# Allegro board hash851-X26_V1_0_180425.brd (continued)
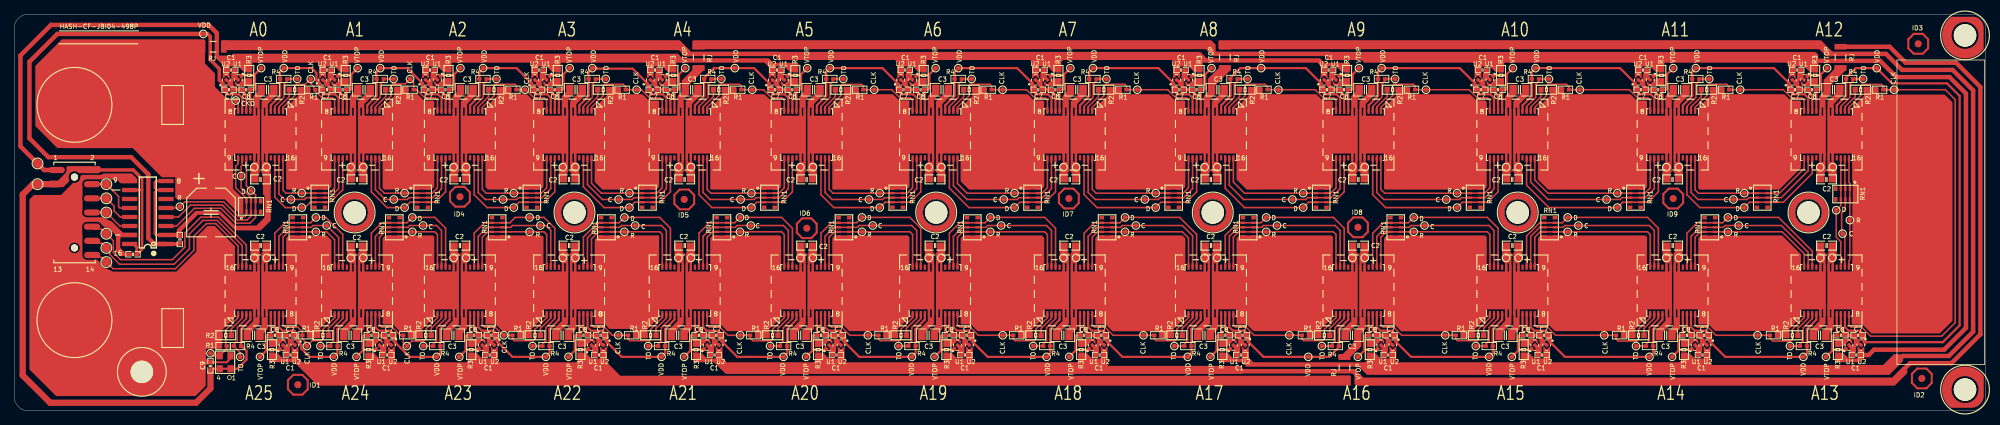
[diagram p0: board, top side]
## Routing (per net, layer and track width the routed paths; a pad name or vN(x,y) marks a point on that pad's centre or on a via; arc(x,y) is an arc through that point) (continued)
NETA8_A19_3: length 6.7
  TOP w0.229: TO_A19.1 R4_A19.2 126.08,9.4 126.56,9.88 126.56,11.75 127.83,13.02 127.83,13.16
  TOP w0.325: 127.83,13.16 A8_A19.3
NETA8_A19_5: length 8.6
  TOP w0.325: A8_A19.5 131.28,10.75 C8_A19.2 130.8,10.67 130.64,10.51 130.64,8.77 130.78,8.64 ; VTOP_A19.1 130.78,8.64 ; 130.78,8.64 132.13,8.64
NETA8_A20_2: length 3.7
  TOP w0.229: R2_A20.1 107.7,11.64 109.15,13.09 109.15,13.24
  TOP w0.325: 109.15,13.24 A8_A20.2
NETA8_A20_3: length 6.7
  TOP w0.229: TO_A20.1 R4_A20.2 107.98,9.4 108.46,9.88 108.46,11.75 109.73,13.02 109.73,13.16
  TOP w0.325: 109.73,13.16 A8_A20.3
NETA8_A20_5: length 8.6
  TOP w0.325: VTOP_A20.1 112.68,8.64 ; 112.68,8.64 112.54,8.77 112.54,10.51 112.7,10.67 C8_A20.2 113.18,10.75 A8_A20.5 ; 112.68,8.64 114.03,8.64
NETA8_A21_2: length 3.7
  TOP w0.229: 91.95,13.24 91.95,13.09 90.5,11.64 R2_A21.1
  TOP w0.325: 91.95,13.24 A8_A21.2
NETA8_A21_3: length 6.7
  TOP w0.229: TO_A21.1 R4_A21.2 90.78,9.4 91.26,9.88 91.26,11.75 92.53,13.02 92.53,13.16
  TOP w0.325: A8_A21.3 92.53,13.16
NETA8_A21_5: length 8.6
  TOP w0.325: 95.48,8.64 96.83,8.64 ; 95.48,8.64 95.34,8.77 95.34,10.51 95.5,10.67 C8_A21.2 95.98,10.75 A8_A21.5 ; 95.48,8.64 VTOP_A21.1
NETA8_A22_2: length 3.7
  TOP w0.229: 75.65,13.24 75.65,13.09 74.2,11.64 R2_A22.1
  TOP w0.325: 75.65,13.24 A8_A22.2
NETA8_A22_3: length 6.7
  TOP w0.229: TO_A22.1 R4_A22.2 74.48,9.4 74.96,9.88 74.96,11.75 76.23,13.02 76.23,13.16
  TOP w0.325: 76.23,13.16 A8_A22.3
NETA8_A22_5: length 8.6
  TOP w0.325: 79.18,8.64 80.53,8.64 ; 79.18,8.64 VTOP_A22.1 ; 79.18,8.64 79.04,8.77 79.04,10.51 79.2,10.67 C8_A22.2 79.68,10.75 A8_A22.5
NETA8_A23_2: length 3.7
  TOP w0.229: 60.25,13.24 60.25,13.09 58.8,11.64 R2_A23.1
  TOP w0.325: 60.25,13.24 A8_A23.2
NETA8_A23_3: length 6.7
  TOP w0.229: TO_A23.1 R4_A23.2 59.08,9.4 59.56,9.88 59.56,11.75 60.83,13.02 60.83,13.16
  TOP w0.325: 60.83,13.16 A8_A23.3
NETA8_A23_5: length 8.6
  TOP w0.325: 63.78,8.64 65.13,8.64 ; 63.78,8.64 VTOP_A23.1 ; 63.78,8.64 63.64,8.77 63.64,10.51 63.8,10.67 C8_A23.2 64.28,10.75 A8_A23.5
NETA8_A24_2: length 3.7
  TOP w0.229: R2_A24.1 44.3,11.64 45.75,13.09 45.75,13.24
  TOP w0.325: 45.75,13.24 A8_A24.2
NETA8_A24_3: length 6.7
  TOP w0.229: TO_A24.1 R4_A24.2 44.58,9.4 45.06,9.88 45.06,11.75 46.33,13.02 46.33,13.16
  TOP w0.325: A8_A24.3 46.33,13.16
NETA8_A24_5: length 8.6
  TOP w0.325: A8_A24.5 49.78,10.75 C8_A24.2 49.3,10.67 49.14,10.51 49.14,8.77 49.28,8.64 ; 49.28,8.64 VTOP_A24.1 ; 49.28,8.64 50.63,8.64
NETA8_A25_2: length 3.7
  TOP w0.229: 32.15,13.24 32.15,13.09 30.61,11.54 R2_A25.1
  TOP w0.325: A8_A25.2 32.15,13.24
NETA8_A25_3: length 7.2
  TOP w0.229: 32.73,13.16 32.73,13.02 31.46,11.75 31.46,9.88 30.98,9.4 R4_A25.2 30.98,9.1 31.87,8.21 TO_A25.1
  TOP w0.325: 32.73,13.16 A8_A25.3
NETA8_A25_5: length 8.6
  TOP w0.325: VTOP_A25.1 35.68,8.64 ; 35.68,8.64 37.03,8.64 ; 35.68,8.64 35.54,8.77 35.54,10.51 35.7,10.67 C8_A25.2 36.18,10.75 A8_A25.5
RI: length 30.8
  TOP w0.229: J1.14 11.33,21.67 12.33,21.67 RI.1 ; RI.1 12.54,21.46 13,21.06 RI.1 ; RI.1 13.93,20.06 22.74,20.06 25.34,22.66 25.34,24.66 27.1,26.43 28.43,26.43 31.58,23.28 31.58,20.78
  TOP w0.325: A8_A25.16 31.58,20.78
RI_A0: length 16.6
  TOP w0.229: 45.18,35.22 45.18,31.49 44.42,30.73 RN1_A1.4 RN1_A1.7 41.17,30.73 41.16,30.73 R_A1.1 38.33,30.73 37.9,31.15 37.9,35.22
  TOP w0.325: 45.18,35.22 A8_A1.9 ; A8_A0.16 37.9,35.22
RI_A1: length 17.3
  TOP w0.229: 51.5,35.22 51.5,31.42 52.19,30.73 R_A2.1 55.99,30.73 56,30.73 RN1_A2.7 RN1_A2.4 58.92,30.73 59.68,31.49 59.68,35.22
  TOP w0.325: 59.68,35.22 A8_A2.9 ; A8_A1.16 51.5,35.22
RI_A2: length 18.3
  TOP w0.229: 75.08,35.22 75.08,31.49 74.32,30.73 RN1_A3.4 RN1_A3.7 71.07,30.73 71.06,30.73 R_A3.1 66.55,30.73 66,31.27 66,35.22
  TOP w0.325: 75.08,35.22 A8_A3.9 ; 66,35.22 A8_A2.16
RI_A3: length 18.7
  TOP w0.229: 81.4,35.22 81.4,32.12 82.8,30.73 R_A4.1 87.36,30.73 87.37,30.73 RN1_A4.7 RN1_A4.4 90.62,30.73 91.38,31.49 91.38,35.22
  TOP w0.325: A8_A3.16 81.4,35.22 ; 91.38,35.22 A8_A4.9
RI_A4: length 20.1
  TOP w0.229: 97.7,35.22 97.7,31.27 98.25,30.73 R_A5.1 104.56,30.73 104.57,30.73 RN1_A5.7 RN1_A5.4 107.82,30.73 108.58,31.49 108.58,35.22
  TOP w0.325: 108.58,35.22 A8_A5.9 ; A8_A4.16 97.7,35.22
RI_A5: length 21
  TOP w0.229: 114.9,35.22 114.9,31.27 115.45,30.73 R_A6.1 122.66,30.73 122.67,30.73 RN1_A6.7 RN1_A6.4 125.92,30.73 126.68,31.49 126.68,35.22
  TOP w0.325: 126.68,35.22 A8_A6.9 ; A8_A5.16 114.9,35.22
RI_A6: length 21.4
  TOP w0.229: 133,35.22 133,32.09 134.36,30.73 R_A7.1 141.66,30.73 141.67,30.73 RN1_A7.7 RN1_A7.4 144.92,30.73 145.68,31.49 145.68,35.22
  TOP w0.325: A8_A6.16 133,35.22 ; 145.68,35.22 A8_A7.9
RI_A7: length 22.8
  TOP w0.229: 152,35.22 152,31.27 152.55,30.73 R_A8.1 161.56,30.73 161.57,30.73 RN1_A8.7 RN1_A8.4 164.82,30.73 165.58,31.49 165.58,35.22
  TOP w0.325: A8_A7.16 152,35.22 ; 165.58,35.22 A8_A8.9
RI_A8: length 23.1
  TOP w0.229: 171.9,35.22 171.9,32.3 173.47,30.73 R_A9.1 182.36,30.73 182.37,30.73 RN1_A9.7 RN1_A9.4 185.62,30.73 186.38,31.49 186.38,35.22
  TOP w0.325: A8_A8.16 171.9,35.22 ; 186.38,35.22 A8_A9.9
RI_A9: length 24.6
  TOP w0.229: 208.08,35.22 208.08,31.49 207.32,30.73 RN1_A10.4 RN1_A10.7 204.07,30.73 204.06,30.73 R_A10.1 193.25,30.73 192.7,31.27 192.7,35.22
  TOP w0.325: 208.08,35.22 A8_A10.9 ; A8_A9.16 192.7,35.22
RI_A10: length 24.7
  TOP w0.229: 230.68,35.22 230.68,31.49 229.92,30.73 RN1_A11.4 RN1_A11.7 226.67,30.73 226.66,30.73 R_A11.1 216.27,30.73 214.4,32.59 214.4,35.22
  TOP w0.325: 230.68,35.22 A8_A11.9 ; 214.4,35.22 A8_A10.16
RI_A11: length 23.1
  TOP w0.229: 237,35.22 237,31.2 237.48,30.73 R_A12.1 244.55,30.73 244.56,30.73 RN1_A12.7 RN1_A12.4 248.91,30.73 252.38,34.2 252.38,35.22
  TOP w0.325: A8_A12.9 252.38,35.22 ; A8_A11.16 237,35.22
RI_A12: length 15.6
  TOP w0.229: 258.7,35.22 258.7,32.24 258.83,32.11 RN1_A13.7 RN1_A13.4 R_A13.1 258.83,21.34 258.7,21.21 258.7,20.78
  TOP w0.325: A8_A13.9 258.7,20.78 ; 258.7,35.22 A8_A12.16
RI_A13: length 23.1
  TOP w0.229: 237,20.78 237,24.51 237.76,25.27 RN1_A14.4 RN1_A14.7 241.02,25.27 241.02,25.27 R_A14.1 249.29,25.27 252.38,22.19 252.38,20.78
  TOP w0.325: 237,20.78 A8_A14.9 ; A8_A13.16 252.38,20.78
RI_A14: length 25.6
  TOP w0.229: 230.68,20.78 230.68,24.89 230.3,25.27 R_A15.1 218.42,25.27 218.42,25.27 RN1_A15.7 RN1_A15.4 215.16,25.27 214.4,24.51 214.4,20.78
  TOP w0.325: 230.68,20.78 A8_A14.16 ; A8_A15.9 214.4,20.78
RI_A15: length 24.7
  TOP w0.229: 208.08,20.78 208.08,24.89 207.7,25.27 R_A16.1 196.72,25.27 196.72,25.27 RN1_A16.7 RN1_A16.4 193.46,25.27 192.7,24.51 192.7,20.78
  TOP w0.325: 208.08,20.78 A8_A15.16 ; 192.7,20.78 A8_A16.9
RI_A16: length 23.8
  TOP w0.229: 186.38,20.78 186.38,24.89 186,25.27 R_A17.1 175.92,25.27 175.92,25.27 RN1_A17.7 RN1_A17.4 172.66,25.27 171.9,24.51 171.9,20.78
  TOP w0.325: 171.9,20.78 A8_A17.9 ; A8_A16.16 186.38,20.78
RI_A17: length 22.6
  TOP w0.229: 165.58,20.78 165.58,24.4 164.71,25.27 R_A18.1 156.02,25.27 156.02,25.27 RN1_A18.7 RN1_A18.4 152.76,25.27 152,24.51 152,20.78
  TOP w0.325: A8_A17.16 165.58,20.78 ; 152,20.78 A8_A18.9
RI_A18: length 22
  TOP w0.229: 133,20.78 133,24.51 133.76,25.27 RN1_A19.4 RN1_A19.7 137.02,25.27 137.02,25.27 R_A19.1 145.3,25.27 145.68,24.89 145.68,20.78
  TOP w0.325: 145.68,20.78 A8_A18.16 ; 133,20.78 A8_A19.9
RI_A19: length 21.1
  TOP w0.229: 114.9,20.78 114.9,24.51 115.66,25.27 RN1_A20.4 RN1_A20.7 118.92,25.27 118.92,25.27 R_A20.1 126.3,25.27 126.68,24.89 126.68,20.78
  TOP w0.325: A8_A20.9 114.9,20.78 ; 126.68,20.78 A8_A19.16
RI_A20: length 20.2
  TOP w0.229: 97.7,20.78 97.7,24.51 98.46,25.27 RN1_A21.4 RN1_A21.7 101.72,25.27 101.72,25.27 R_A21.1 108.2,25.27 108.58,24.89 108.58,20.78
  TOP w0.325: 97.7,20.78 A8_A21.9 ; 108.58,20.78 A8_A20.16
RI_A21: length 19.2
  TOP w0.229: 81.4,20.78 81.4,24.28 82.39,25.27 RN1_A22.4 RN1_A22.7 85.42,25.27 85.42,25.27 R_A22.1 91,25.27 91.38,24.89 91.38,20.78
  TOP w0.325: A8_A21.16 91.38,20.78 ; 81.4,20.78 A8_A22.9
RI_A22: length 18.4
  TOP w0.229: 75.08,20.78 75.08,24.89 74.7,25.27 R_A23.1 70.02,25.27 70.02,25.27 RN1_A23.7 RN1_A23.4 66.76,25.27 66,24.51 66,20.78
  TOP w0.325: 66,20.78 A8_A23.9 ; A8_A22.16 75.08,20.78
RI_A23: length 17.5
  TOP w0.229: 51.5,20.78 51.5,24.51 52.26,25.27 RN1_A24.4 RN1_A24.7 55.52,25.27 55.52,25.27 R_A24.1 59.3,25.27 59.68,24.89 59.68,20.78
  TOP w0.325: A8_A23.16 59.68,20.78 ; A8_A24.9 51.5,20.78
RI_A24: length 16.2
  TOP w0.229: 45.18,20.78 45.18,24.15 44.06,25.27 R_A25.1 41.92,25.27 41.92,25.27 RN1_A25.7 RN1_A25.4 38.66,25.27 37.9,24.51 37.9,20.78
  TOP w0.325: A8_A25.9 37.9,20.78 ; 45.18,20.78 A8_A24.16
RO: length 7.5
  TOP w0.229: U3.12 14.92,28.63 14.72,28.83 14.72,30.27 RO.1 J1.4
RO_A0: length 21.5
  TOP w0.229: 31.58,35.22 31.58,34.89 31.23,34.54 31.23,31.5 32.75,29.98 RN1_A0.4 RN1_A0.7 32.75,27.68 32.48,27.41 31.63,27.41 29.54,29.5 24.03,29.5 R_A0.1 23.16,28.63 U3.5
  TOP w0.325: A8_A0.9 31.58,35.22
VIOA_A0: length 82.6
  TOP w0.325: A8_A0.7 32.15,44.19 31.66,44.69 30.01,44.69 29.87,44.82
  TOP w0.508: C5.1 23.23,23.55 U3.1 ; 29.38,46.25 28.93,46.7 28.93,48.28 27.64,49.56 27.64,52.87 27.3,53.21 VDD_A0.1
  TOP w0.635: U3.1 19.74,23.55 18.91,24.38 18.91,33.39 16.49,35.81 4.82,35.81 2.15,38.48 2.15,49.28 6.09,53.21 VDD_A0.1
VIOA_A1: length 18
  TOP w0.325: 42.63,46.68 42.63,46.83 42.62,46.84 ; 42.63,46.68 42.62,46.69 42.62,46.84 ; 42.63,46.68 43,46.31 ; 43.47,44.82 43.61,44.69 45.26,44.69 45.75,44.19 A8_A1.7 ; 42.62,46.84 42.62,47.7 41.94,48.38 VDD_A1.1 37.49,47.86 R4_A0.1 37.52,46.83 37.52,44.47 36.18,43.13 A8_A0.4
VIOA_A2: length 18.1
  TOP w0.325: 57.5,46.31 55.43,48.38 VDD_A2.1 51.09,47.86 R4_A1.1 51.12,46.83 51.12,44.47 49.78,43.13 A8_A1.4 ; 57.97,44.82 58.11,44.69 59.76,44.69 60.25,44.19 A8_A2.7
VIOA_A3: length 19
  TOP w0.325: 72.9,46.31 70.83,48.38 VDD_A3.1 65.59,47.86 R4_A2.1 65.62,46.83 65.62,44.47 64.28,43.13 A8_A2.4 ; 73.37,44.82 73.51,44.69 75.16,44.69 75.65,44.19 A8_A3.7
VIOA_A4: length 19.9
  TOP w0.325: A8_A4.7 91.95,44.19 91.46,44.69 89.81,44.69 89.67,44.82 ; A8_A3.4 79.68,43.13 81.02,44.47 81.02,46.83 R4_A3.1 80.99,47.86 VDD_A4.1 82.17,48.38 82.25,48.3 87.21,48.3 89.2,46.31
VIOA_A5: length 20.3
  TOP w0.325: A8_A4.4 95.98,43.13 97.32,44.47 97.32,46.83 R4_A4.1 97.29,47.01 98.66,48.38 VDD_A5.1 104.33,48.38 106.4,46.31 ; 106.87,44.82 107.01,44.69 108.66,44.69 109.15,44.19 A8_A5.7
VIOA_A6: length 21.7
  TOP w0.325: 114.52,46.86 114.52,44.47 113.18,43.13 A8_A5.4 ; 114.52,46.86 114.52,47.89 VDD_A6.1 122.43,48.38 124.5,46.31 ; 114.52,46.86 R4_A5.1 ; A8_A6.7 127.25,44.19 126.76,44.69 125.11,44.69 124.97,44.82
VIOA_A7: length 22.6
  TOP w0.325: 132.62,46.86 R4_A6.1 ; 132.62,46.86 132.62,47.89 VDD_A7.1 141.43,48.38 143.5,46.31 ; 132.62,46.86 132.62,44.47 131.28,43.13 A8_A6.4 ; 143.97,44.82 144.11,44.69 145.76,44.69 146.25,44.19 A8_A7.7
VIOA_A8: length 23.5
  TOP w0.325: 163.4,46.31 161.33,48.38 VDD_A8.1 151.59,47.86 R4_A7.1 151.62,46.83 151.62,44.47 150.28,43.13 A8_A7.4 ; A8_A8.7 166.15,44.19 165.66,44.69 164.01,44.69 163.87,44.82
VIOA_A9: length 23.9
  TOP w0.325: A8_A8.4 170.18,43.13 171.52,44.47 171.52,46.86 ; 184.67,44.82 184.81,44.69 186.46,44.69 186.95,44.19 A8_A9.7 ; 171.52,46.86 R4_A8.1 ; 171.52,46.86 171.52,47.04 172.86,48.38 VDD_A9.1 182.13,48.38 184.2,46.31
VIOA_A10: length 25.3
  TOP w0.325: A8_A9.4 190.98,43.13 192.32,44.47 192.32,46.86 ; 192.32,46.86 192.32,47.89 VDD_A10.1 203.83,48.38 205.9,46.31 ; 192.32,46.86 R4_A9.1 ; 206.37,44.82 206.51,44.69 208.16,44.69 208.65,44.19 A8_A10.7
VIOA_A11: length 26.2
  TOP w0.325: 228.5,46.31 226.43,48.38 VDD_A11.1 213.99,47.86 R4_A10.1 214.02,46.83 214.02,44.47 212.68,43.13 A8_A10.4 ; A8_A11.7 231.25,44.19 230.76,44.69 229.11,44.69 228.97,44.82
VIOA_A12: length 25.3
  TOP w0.325: 236.62,46.86 R4_A11.1 ; 236.62,46.86 236.62,44.47 235.28,43.13 A8_A11.4 ; 236.62,46.86 236.62,47.89 VDD_A12.1 248.13,48.38 250.2,46.31 ; 250.67,44.82 250.81,44.69 252.46,44.69 252.95,44.19 A8_A12.7
VIOA_A13: length 74.7
  TOP w0.325: A8_A13.7 258.13,11.81 258.63,11.31 260.28,11.31 260.41,11.18 ; R4_A12.1 258.32,46.86 ; 258.32,46.86 258.32,44.47 256.98,43.13 A8_A12.4 ; 258.32,46.86 258.32,47.05 259.65,48.38 VDD_A13.1 264.77,46.23 272.53,46.23 274.31,44.45 274.31,12.06 271.94,9.69 261.02,9.69 260.98,9.65
VIOA_A14: length 25.3
  TOP w0.325: 239.18,9.69 241.25,7.62 VDD_A14.1 252.79,8.14 R4_A13.1 252.77,9.17 252.77,11.53 254.1,12.87 A8_A13.4 ; 238.71,11.18 238.58,11.31 236.93,11.31 236.43,11.81 A8_A14.7
VIOA_A15: length 26.2
  TOP w0.325: 216.11,11.18 215.98,11.31 214.33,11.31 213.83,11.81 A8_A15.7 ; A8_A14.4 232.4,12.87 231.07,11.53 231.07,9.17 R4_A14.1 231.09,8.14 VDD_A15.1 218.65,7.62 216.58,9.69
VIOA_A16: length 25.3
  TOP w0.325: 194.88,9.69 196.96,7.62 VDD_A16.1 208.49,8.14 R4_A15.1 208.47,9.17 208.47,11.53 209.8,12.87 A8_A15.4 ; A8_A16.7 192.13,11.81 192.63,11.31 194.28,11.31 194.42,11.18
VIOA_A17: length 23.9
  TOP w0.325: 173.61,11.18 173.48,11.31 171.83,11.31 171.33,11.81 A8_A17.7 ; 174.08,9.69 176.15,7.62 VDD_A17.1 185.41,7.62 186.8,9 R4_A16.1 186.77,9.17 186.77,11.53 188.1,12.87 A8_A16.4
VIOA_A18: length 23.5
  TOP w0.325: A8_A18.7 151.43,11.81 151.93,11.31 153.58,11.31 153.71,11.18 ; A8_A17.4 167.3,12.87 165.97,11.53 165.97,9.17 R4_A17.1 165.99,8.14 VDD_A18.1 156.25,7.62 154.18,9.69
VIOA_A19: length 22.6
  TOP w0.325: A8_A19.7 132.43,11.81 132.93,11.31 134.58,11.31 134.71,11.18 ; A8_A18.4 147.4,12.87 146.07,11.53 146.07,9.17 R4_A18.1 146.09,8.14 VDD_A19.1 137.25,7.62 135.18,9.69
VIOA_A20: length 21.7
  TOP w0.325: 117.08,9.69 119.15,7.62 VDD_A20.1 127.09,8.14 R4_A19.1 127.07,9.17 127.07,11.53 128.4,12.87 A8_A19.4 ; 116.61,11.18 116.48,11.31 114.83,11.31 114.33,11.81 A8_A20.7
VIOA_A21: length 20.8
  TOP w0.325: 99.42,11.18 99.28,11.31 97.63,11.31 97.13,11.81 A8_A21.7 ; A8_A20.4 110.3,12.87 108.97,11.53 108.97,9.17 R4_A20.1 108.99,8.14 VDD_A21.1 101.96,7.62 99.88,9.69
VIOA_A22: length 19.9
  TOP w0.325: 83.58,9.69 85.65,7.62 VDD_A22.1 91.8,8.14 R4_A21.1 91.8,9.75 91.77,9.78 91.77,11.53 93.1,12.87 A8_A21.4 ; A8_A22.7 80.83,11.81 81.33,11.31 82.98,11.31 83.11,11.18
VIOA_A23: length 19
  TOP w0.325: A8_A22.4 76.8,12.87 75.47,11.53 75.47,9.17 R4_A22.1 75.49,8.14 VDD_A23.1 70.25,7.62 68.18,9.69 ; A8_A23.7 65.43,11.81 65.93,11.31 67.58,11.31 67.71,11.18
VIOA_A24: length 18.1
  TOP w0.325: A8_A24.7 50.93,11.81 51.43,11.31 53.08,11.31 53.21,11.18 ; A8_A23.4 61.4,12.87 60.07,11.53 60.07,9.17 R4_A23.1 60.09,8.14 VDD_A24.1 55.75,7.62 53.68,9.69
VIOA_A25: length 17.5
  TOP w0.127: 40.16,9.49 40.12,9.53
  TOP w0.325: 39.61,11.18 39.48,11.31 37.83,11.31 37.33,11.81 A8_A25.7 ; A8_A24.4 46.9,12.87 45.57,11.53 45.57,9.14 ; 45.57,9.14 R4_A24.1 ; 45.57,9.14 45.57,8.11 VDD_A25.1 41.65,7.62 40.48,8.79 40.48,9.3 40.12,9.65

## Copper pours and planes (outline as drawn; the poured copper is in the pictures)
1V8 on TOP (solid shape): 12.18,34.42 12.18,33.78 11.95,33.55 9.1,33.55 8.04,33.67 7.77,32.63 7.77,32.42 6.98,31.62 5.2,31.62 4.94,31.88 4.94,32.38 5.07,32.51 6.17,32.51 7.15,33.5 7.32,33.74 7.37,34.04 7.37,34.43 7.48,34.54 12.06,34.54
12V on TOP (solid shape): outline of 114 points within 28.44,46.96 110.55,50.42
GND on TOP (solid shape): outline of 348 points within 2.15,2.08 34.62,33.52
GND_FINAL on TOP (solid shape): outline of 123 points within 20.31,24.38 48.93,45.97
VSS_A0 on TOP (solid shape): 31.49,48.25 31.49,47.14 31.75,46.88 31.75,46.6 31.62,46.48 31.51,46.48 31.25,46.73 31.04,46.73 30.91,46.59 30.91,45.97 31.27,45.61 32.51,45.61 32.54,45.59 32.54,45 32.89,44.65 32.89,42.03 32.57,42.03 32.57,43.14 32.55,43.16 32.55,44.35 31.82,45.08 30.67,45.08 30.51,45.08 30.49,45.1 30.49,45.62 30.1,46 30.1,46.32 30.02,46.4 29.9,46.4 29.59,46.71 29.59,46.73 29.89,47.02 29.93,47.02 30.21,46.74 30.48,46.74 30.59,46.85 30.59,47.73 30.74,47.87 30.74,48.25 30.86,48.38 31.37,48.38
VSS_A1 on TOP (solid shape): 45.09,48.25 45.09,47.14 45.35,46.88 45.35,46.6 45.22,46.48 45.11,46.48 44.85,46.73 44.64,46.73 44.51,46.59 44.51,45.97 44.87,45.61 46.11,45.61 46.14,45.59 46.14,45 46.49,44.65 46.49,42.03 46.17,42.03 46.17,43.14 46.15,43.16 46.15,44.35 45.42,45.08 44.33,45.08 44.29,45.12 44.29,45.41 44.29,45.46 44.14,45.62 44.14,45.67 44.01,45.8 43.96,45.8 43.7,46.05 43.7,46.32 43.62,46.4 43.5,46.4 43.19,46.71 43.19,46.73 43.49,47.02 43.53,47.02 43.81,46.74 44.08,46.74 44.19,46.85 44.19,47.73 44.34,47.87 44.34,48.25 44.46,48.38 44.97,48.38
VSS_A2 on TOP (solid shape): 59.59,48.25 59.59,47.14 59.85,46.88 59.85,46.6 59.72,46.48 59.61,46.48 59.35,46.73 59.14,46.73 59.01,46.59 59.01,45.97 59.37,45.61 60.61,45.61 60.64,45.59 60.64,45 60.99,44.65 60.99,42.03 60.67,42.03 60.67,43.14 60.65,43.16 60.65,44.35 59.92,45.08 58.77,45.08 58.61,45.08 58.59,45.1 58.59,45.62 58.2,46 58.2,46.32 58.12,46.4 58,46.4 57.69,46.71 57.69,46.73 57.99,47.02 58.03,47.02 58.31,46.74 58.58,46.74 58.69,46.85 58.69,47.73 58.84,47.87 58.84,48.25 58.96,48.38 59.47,48.38
VSS_A3 on TOP (solid shape): 74.99,48.25 74.99,47.14 75.25,46.88 75.25,46.6 75.12,46.48 75.01,46.48 74.75,46.73 74.54,46.73 74.41,46.59 74.41,45.97 74.77,45.61 76.01,45.61 76.04,45.59 76.04,45 76.39,44.65 76.39,42.03 76.07,42.03 76.07,43.14 76.05,43.16 76.05,44.35 75.32,45.08 74.17,45.08 74.01,45.08 73.99,45.1 73.99,45.62 73.6,46 73.6,46.32 73.52,46.4 73.4,46.4 73.09,46.71 73.09,46.73 73.39,47.02 73.43,47.02 73.71,46.74 73.98,46.74 74.09,46.85 74.09,47.73 74.24,47.87 74.24,48.25 74.36,48.38 74.87,48.38
VSS_A4 on TOP (solid shape): 91.29,48.25 91.29,47.14 91.55,46.88 91.55,46.6 91.42,46.48 91.31,46.48 91.05,46.73 90.84,46.73 90.71,46.59 90.71,45.97 91.07,45.61 92.31,45.61 92.34,45.59 92.34,45 92.69,44.65 92.69,42.03 92.37,42.03 92.37,43.14 92.35,43.16 92.35,44.35 91.62,45.08 90.47,45.08 90.31,45.08 90.29,45.1 90.29,45.62 89.9,46 89.9,46.32 89.82,46.4 89.7,46.4 89.39,46.71 89.39,46.73 89.69,47.02 89.73,47.02 90.01,46.74 90.28,46.74 90.39,46.85 90.39,47.73 90.54,47.87 90.54,48.25 90.66,48.38 91.17,48.38
VSS_A5 on TOP (solid shape): 108.49,48.25 108.49,47.14 108.75,46.88 108.75,46.6 108.62,46.48 108.51,46.48 108.25,46.73 108.04,46.73 107.91,46.59 107.91,45.97 108.27,45.61 109.51,45.61 109.54,45.59 109.54,45 109.89,44.65 109.89,42.03 109.57,42.03 109.57,43.14 109.55,43.16 109.55,44.35 108.82,45.08 107.67,45.08 107.51,45.08 107.49,45.1 107.49,45.62 107.1,46 107.1,46.32 107.02,46.4 106.9,46.4 106.59,46.71 106.59,46.73 106.89,47.02 106.93,47.02 107.21,46.74 107.48,46.74 107.59,46.85 107.59,47.73 107.74,47.87 107.74,48.25 107.86,48.38 108.37,48.38
VSS_A6 on TOP (solid shape): 126.59,48.25 126.59,47.14 126.85,46.88 126.85,46.6 126.72,46.48 126.61,46.48 126.35,46.73 126.14,46.73 126.01,46.59 126.01,45.97 126.37,45.61 127.61,45.61 127.64,45.59 127.64,45 127.99,44.65 127.99,42.03 127.67,42.03 127.67,43.14 127.65,43.16 127.65,44.35 126.92,45.08 125.77,45.08 125.61,45.08 125.59,45.1 125.59,45.62 125.2,46 125.2,46.32 125.12,46.4 125,46.4 124.69,46.71 124.69,46.73 124.99,47.02 125.03,47.02 125.31,46.74 125.58,46.74 125.69,46.85 125.69,47.73 125.84,47.87 125.84,48.25 125.96,48.38 126.47,48.38
VSS_A7 on TOP (solid shape): 145.59,48.25 145.59,47.14 145.85,46.88 145.85,46.6 145.72,46.48 145.61,46.48 145.35,46.73 145.14,46.73 145.01,46.59 145.01,45.97 145.37,45.61 146.61,45.61 146.64,45.59 146.64,45 146.99,44.65 146.99,42.03 146.67,42.03 146.67,43.14 146.65,43.16 146.65,44.35 145.92,45.08 144.77,45.08 144.61,45.08 144.59,45.1 144.59,45.62 144.2,46 144.2,46.32 144.12,46.4 144,46.4 143.69,46.71 143.69,46.73 143.99,47.02 144.03,47.02 144.31,46.74 144.58,46.74 144.69,46.85 144.69,47.73 144.84,47.87 144.84,48.25 144.96,48.38 145.47,48.38
VSS_A8 on TOP (solid shape): 165.49,48.25 165.49,47.14 165.75,46.88 165.75,46.6 165.62,46.48 165.51,46.48 165.25,46.73 165.04,46.73 164.91,46.59 164.91,45.97 165.27,45.61 166.51,45.61 166.54,45.59 166.54,45 166.89,44.65 166.89,42.03 166.57,42.03 166.57,43.14 166.55,43.16 166.55,44.35 165.82,45.08 164.67,45.08 164.51,45.08 164.49,45.1 164.49,45.62 164.1,46 164.1,46.32 164.02,46.4 163.9,46.4 163.59,46.71 163.59,46.73 163.89,47.02 163.93,47.02 164.21,46.74 164.48,46.74 164.59,46.85 164.59,47.73 164.74,47.87 164.74,48.25 164.86,48.38 165.37,48.38
VSS_A9 on TOP (solid shape): 186.29,48.25 186.29,47.14 186.55,46.88 186.55,46.6 186.42,46.48 186.31,46.48 186.05,46.73 185.84,46.73 185.71,46.59 185.71,45.97 186.07,45.61 187.31,45.61 187.34,45.59 187.34,45 187.69,44.65 187.69,42.03 187.37,42.03 187.37,43.14 187.35,43.16 187.35,44.35 186.62,45.08 185.47,45.08 185.31,45.08 185.29,45.1 185.29,45.62 184.9,46 184.9,46.32 184.82,46.4 184.7,46.4 184.39,46.71 184.39,46.73 184.69,47.02 184.73,47.02 185.01,46.74 185.28,46.74 185.39,46.85 185.39,47.73 185.54,47.87 185.54,48.25 185.66,48.38 186.17,48.38
VSS_A10 on TOP (solid shape): 207.99,48.25 207.99,47.14 208.25,46.88 208.25,46.6 208.12,46.48 208.01,46.48 207.75,46.73 207.54,46.73 207.41,46.59 207.41,45.97 207.77,45.61 209.01,45.61 209.04,45.59 209.04,45 209.39,44.65 209.39,42.03 209.07,42.03 209.07,43.14 209.05,43.16 209.05,44.35 208.32,45.08 207.17,45.08 207.01,45.08 206.99,45.1 206.99,45.62 206.6,46 206.6,46.32 206.52,46.4 206.4,46.4 206.09,46.71 206.09,46.73 206.39,47.02 206.43,47.02 206.71,46.74 206.98,46.74 207.09,46.85 207.09,47.73 207.24,47.87 207.24,48.25 207.36,48.38 207.87,48.38
VSS_A11 on TOP (solid shape): 230.59,48.25 230.59,47.14 230.85,46.88 230.85,46.6 230.72,46.48 230.61,46.48 230.35,46.73 230.14,46.73 230.01,46.59 230.01,45.97 230.37,45.61 231.61,45.61 231.64,45.59 231.64,45 231.99,44.65 231.99,42.03 231.67,42.03 231.67,43.14 231.65,43.16 231.65,44.35 230.92,45.08 229.77,45.08 229.61,45.08 229.59,45.1 229.59,45.62 229.2,46 229.2,46.32 229.12,46.4 229,46.4 228.69,46.71 228.69,46.73 228.99,47.02 229.03,47.02 229.31,46.74 229.58,46.74 229.69,46.85 229.69,47.73 229.84,47.87 229.84,48.25 229.96,48.38 230.47,48.38
VSS_A12 on TOP (solid shape): 252.29,48.25 252.29,47.14 252.55,46.88 252.55,46.6 252.42,46.48 252.31,46.48 252.05,46.73 251.84,46.73 251.71,46.59 251.71,45.97 252.07,45.61 253.31,45.61 253.34,45.59 253.34,45 253.69,44.65 253.69,42.03 253.37,42.03 253.37,43.14 253.35,43.16 253.35,44.35 252.62,45.08 251.47,45.08 251.31,45.08 251.29,45.1 251.29,45.62 250.9,46 250.9,46.32 250.82,46.4 250.7,46.4 250.39,46.71 250.39,46.73 250.69,47.02 250.73,47.02 251.01,46.74 251.28,46.74 251.39,46.85 251.39,47.73 251.54,47.87 251.54,48.25 251.66,48.38 252.17,48.38
VSS_A13 on TOP (solid shape): 257.72,12.86 257.73,12.84 257.73,11.65 258.46,10.92 259.61,10.92 259.77,10.92 259.79,10.9 259.79,10.38 260.18,10 260.18,9.68 260.26,9.6 260.38,9.6 260.69,9.29 260.69,9.27 260.4,8.98 260.36,8.98 260.07,9.26 259.8,9.26 259.69,9.15 259.69,8.27 259.54,8.13 259.54,7.75 259.42,7.62 258.91,7.62 258.79,7.75 258.79,8.86 258.54,9.12 258.54,9.4 258.66,9.53 258.78,9.52 259.03,9.27 259.24,9.27 259.38,9.41 259.38,10.03 259.01,10.39 257.77,10.39 257.75,10.41 257.75,11 257.39,11.35 257.39,13.97 257.72,13.97
VSS_A14 on TOP (solid shape): 236.02,12.86 236.03,12.84 236.03,11.65 236.76,10.92 237.91,10.92 238.07,10.92 238.09,10.9 238.09,10.38 238.48,10 238.48,9.68 238.56,9.6 238.68,9.6 238.99,9.29 238.99,9.27 238.7,8.98 238.66,8.98 238.37,9.26 238.1,9.26 237.99,9.15 237.99,8.27 237.84,8.13 237.84,7.75 237.72,7.62 237.21,7.62 237.09,7.75 237.09,8.86 236.84,9.12 236.84,9.4 236.96,9.53 237.08,9.52 237.33,9.27 237.54,9.27 237.68,9.41 237.68,10.03 237.31,10.39 236.07,10.39 236.05,10.41 236.05,11 235.69,11.35 235.69,13.97 236.02,13.97
VSS_A15 on TOP (solid shape): 213.42,12.86 213.43,12.84 213.43,11.65 214.16,10.92 215.31,10.92 215.47,10.92 215.49,10.9 215.49,10.38 215.88,10 215.88,9.68 215.96,9.6 216.08,9.6 216.39,9.29 216.39,9.27 216.1,8.98 216.06,8.98 215.77,9.26 215.5,9.26 215.39,9.15 215.39,8.27 215.24,8.13 215.24,7.75 215.12,7.62 214.61,7.62 214.49,7.75 214.49,8.86 214.24,9.12 214.24,9.4 214.36,9.53 214.48,9.52 214.73,9.27 214.94,9.27 215.08,9.41 215.08,10.03 214.71,10.39 213.47,10.39 213.45,10.41 213.45,11 213.09,11.35 213.09,13.97 213.42,13.97
VSS_A16 on TOP (solid shape): 191.72,12.86 191.73,12.84 191.73,11.65 192.46,10.92 193.62,10.92 193.77,10.92 193.79,10.9 193.79,10.38 194.18,10 194.18,9.68 194.26,9.6 194.38,9.6 194.69,9.29 194.69,9.27 194.4,8.98 194.36,8.98 194.07,9.26 193.8,9.26 193.69,9.15 193.69,8.27 193.54,8.13 193.54,7.75 193.42,7.62 192.91,7.62 192.79,7.75 192.79,8.86 192.54,9.12 192.54,9.4 192.67,9.53 192.78,9.52 193.03,9.27 193.24,9.27 193.38,9.41 193.38,10.03 193.01,10.39 191.77,10.39 191.75,10.41 191.75,11 191.39,11.35 191.39,13.97 191.72,13.97
VSS_A17 on TOP (solid shape): 170.92,12.86 170.93,12.84 170.93,11.65 171.66,10.92 172.81,10.92 172.97,10.92 172.99,10.9 172.99,10.38 173.38,10 173.38,9.68 173.46,9.6 173.58,9.6 173.89,9.29 173.89,9.27 173.6,8.98 173.56,8.98 173.27,9.26 173,9.26 172.89,9.15 172.89,8.27 172.74,8.13 172.74,7.75 172.62,7.62 172.11,7.62 171.99,7.75 171.99,8.86 171.74,9.12 171.74,9.4 171.86,9.53 171.98,9.52 172.23,9.27 172.44,9.27 172.58,9.41 172.58,10.03 172.21,10.39 170.97,10.39 170.95,10.41 170.95,11 170.59,11.35 170.59,13.97 170.92,13.97
